# Altium PCB design.PcbDoc (part 1 of 4) (continued)
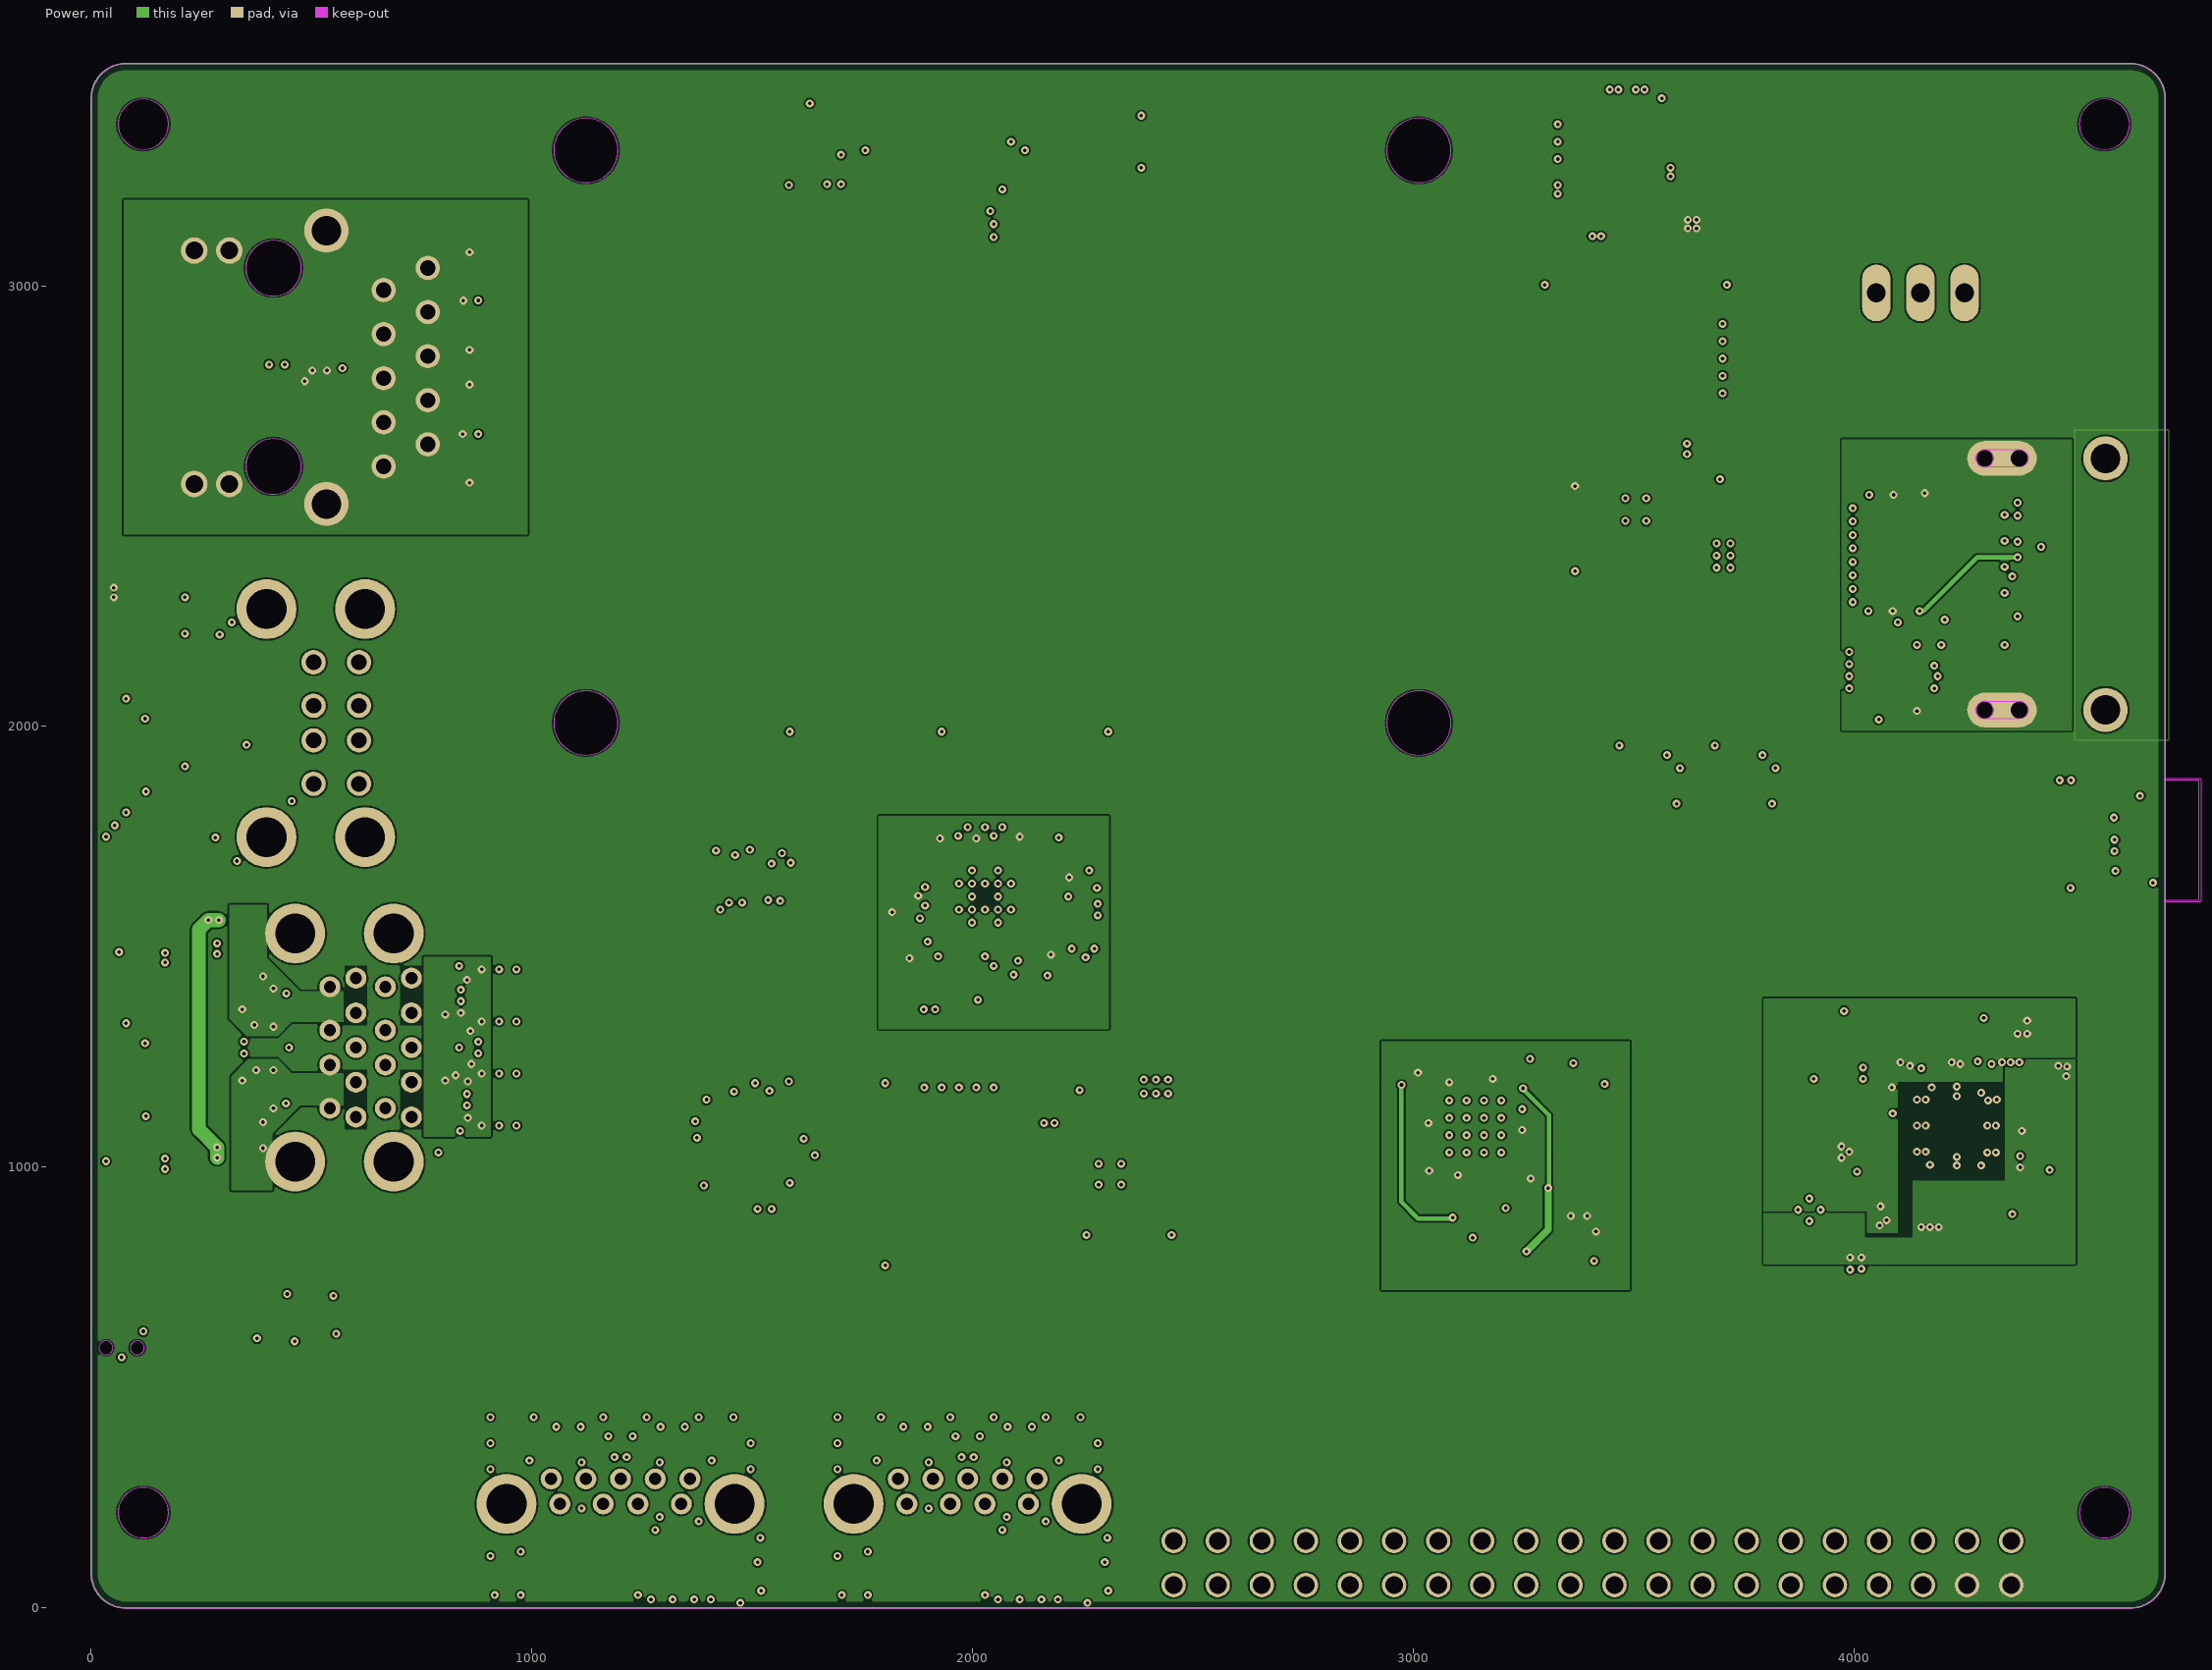
[diagram p3: Power]

## Layer stack, top to bottom
Top Solder: solder mask 0.4, Solder Resist, Dk 3.5
Top: signal copper 1.378
Dielectric 1: core 7.874, FR-4, Dk 4.8
GND: signal copper 1.378
Dielectric3: dielectric 12.6, FR-4, Dk 4.8
S3: signal copper 1.378
Dielectric 4: prepreg 7.874, FR-4, Dk 4.8
S14: signal copper 1.378
Dielectric 5: prepreg 7.874, FR-4, Dk 4.8
Power: signal copper 1.378
Dielectric2: dielectric 12.6, FR-4, Dk 4.8
Bottom: signal copper 1.378
Bottom Solder: solder mask 0.4, Solder Resist, Dk 3.5

## Board outline
4625.98,3503.94 78.74,3503.94 ccw(c78.74,3425.2) 0,3425.2 0,78.74 ccw(c78.74,78.74) 78.74,0 4625.98,0 ccw(c4625.98,78.74) 4704.72,78.74 4704.72,3425.2 ccw(c4625.98,3425.2)
cut-out: 4784.99,1881.45 4785.62,1879.92 4785.62,1604.33 4784.99,1602.8 4783.46,1602.17 4704.72,1602.17 4703.19,1602.8 4702.56,1604.33 4703.19,1605.86 4704.72,1606.49 4781.3,1606.49 4781.3,1877.76 4704.72,1877.76 4703.19,1878.39 4702.56,1879.92 4703.19,1881.45 4704.72,1882.08 4783.46,1882.08
cut-out: 1122.05,1935.04 ccw(c1122.05,2007.87) 1194.88,2007.87 ccw(c1122.05,2007.87) 1122.05,2080.7 ccw(c1122.05,2007.87) 1049.21,2007.87 ccw(c1122.05,2007.87)
cut-out: 1122.05,3234.26 ccw(c1122.05,3307.09) 1194.88,3307.09 ccw(c1122.05,3307.09) 1122.05,3379.93 ccw(c1122.05,3307.09) 1049.21,3307.09 ccw(c1122.05,3307.09)
cut-out: 3011.81,3234.26 ccw(c3011.81,3307.09) 3084.64,3307.09 ccw(c3011.81,3307.09) 3011.81,3379.93 ccw(c3011.81,3307.09) 2938.97,3307.09 ccw(c3011.81,3307.09)
cut-out: 3011.81,1935.04 ccw(c3011.81,2007.87) 3084.64,2007.87 ccw(c3011.81,2007.87) 3011.81,2080.7 ccw(c3011.81,2007.87) 2938.97,2007.87 ccw(c3011.81,2007.87)
cut-out: 413.39,2976.97 ccw(c413.39,3039.96) 476.38,3039.96 ccw(c413.39,3039.96) 413.39,3102.95 ccw(c413.39,3039.96) 350.4,3039.96 ccw(c413.39,3039.96)
cut-out: 413.39,2526.97 ccw(c413.39,2589.96) 476.38,2589.96 ccw(c413.39,2589.96) 413.39,2652.95 ccw(c413.39,2589.96) 350.4,2589.96 ccw(c413.39,2589.96)
cut-out: 118.11,159.46 ccw(c118.11,216.54) 175.19,216.54 ccw(c118.11,216.54) 118.11,273.62 ccw(c118.11,216.54) 61.02,216.54 ccw(c118.11,216.54)
cut-out: 118.11,3309.05 ccw(c118.11,3366.14) 175.19,3366.14 ccw(c118.11,3366.14) 118.11,3423.22 ccw(c118.11,3366.14) 61.02,3366.14 ccw(c118.11,3366.14)
cut-out: 4566.93,3309.05 ccw(c4566.93,3366.14) 4624.02,3366.14 ccw(c4566.93,3366.14) 4566.93,3423.22 ccw(c4566.93,3366.14) 4509.85,3366.14 ccw(c4566.93,3366.14)
cut-out: 4566.93,159.46 ccw(c4566.93,216.54) 4624.02,216.54 ccw(c4566.93,216.54) 4566.93,273.62 ccw(c4566.93,216.54) 4509.85,216.54 ccw(c4566.93,216.54)
cut-out: 4295.28,2588.57 ccw(c4295.28,2608.26) 4314.97,2608.26 ccw(c4295.28,2608.26) 4295.28,2627.95 ccw(c4295.28,2608.26) 4275.6,2608.26 ccw(c4295.28,2608.26)
cut-out: 4295.28,2017.71 ccw(c4295.28,2037.4) 4314.97,2037.4 ccw(c4295.28,2037.4) 4295.28,2057.09 ccw(c4295.28,2037.4) 4275.6,2037.4 ccw(c4295.28,2037.4)
cut-out: 104.33,574.8 ccw(c104.33,590.55) 120.08,590.55 ccw(c104.33,590.55) 104.33,606.3 ccw(c104.33,590.55) 88.58,590.55 ccw(c104.33,590.55)
cut-out: 33.47,574.8 ccw(c33.47,590.55) 49.22,590.55 ccw(c33.47,590.55) 33.47,606.3 ccw(c33.47,590.55) 17.72,590.55 ccw(c33.47,590.55)
cut-out: 4381.7,2626.8 4388.21,2622.45 4392.56,2615.94 4394.09,2608.26 4392.56,2600.58 4388.21,2594.07 4381.7,2589.72 4374.02,2588.19 4295.28,2588.19 4287.6,2589.72 4281.09,2594.07 4276.74,2600.58 4275.21,2608.26 4276.74,2615.94 4281.09,2622.45 4287.6,2626.8 4295.28,2628.33 4374.02,2628.33
cut-out: 4381.7,2055.94 4388.21,2051.59 4392.56,2045.08 4394.09,2037.4 4392.56,2029.72 4388.21,2023.21 4381.7,2018.86 4374.02,2017.33 4295.28,2017.33 4287.6,2018.86 4281.09,2023.21 4276.74,2029.72 4275.21,2037.4 4276.74,2045.08 4281.09,2051.59 4287.6,2055.94 4295.28,2057.47 4374.02,2057.47

## Design rules (kind name [scope] priority, off if disabled: settings)
BoardOutlineClearance mdCopperDimension [All] p1: gap=10 ignorepadtopadclearanceinfootprint=FALSE except(0: Arc-SplitContinuation Track-SplitContinuation SMDPad-SplitContinuation THPad-SplitContinuation Via-SplitContinuation Fill-SplitContinuation Poly-SplitContinuation Region-SplitContinuation Text-SplitContinuation; 15: Poly-OutlineEdge Poly-CavityEdge Poly-CutoutEdge Poly-SplitBarrior)
Clearance Clearance_for_PolygonClass_Isolate_10 [InPolygonClass('Isolate_10') vs IsArc Or IsTrack Or IsPad Or IsVia Or IsFill Or IsRegion Or IsText] p1: gap=10 ignorepadtopadclearanceinfootprint=FALSE
Clearance "Clearance (Same Net)" [All] p2: gap=4 ignorepadtopadclearanceinfootprint=FALSE
Clearance Clearance_for_NetClass_50_OHM [InNetClass('50_OHM') vs InNetClass('50_OHM')] p3: gap=11.81 ignorepadtopadclearanceinfootprint=FALSE
Clearance Clearance_for_NetClass_HDMI [InNetClass('HDMI') vs InNetClass('HDMI')] p4: gap=11.81 ignorepadtopadclearanceinfootprint=FALSE
Clearance Clearance_for_NetClass_USB [InNetClass('USB') vs InNetClass('USB')] p5: gap=7.87 ignorepadtopadclearanceinfootprint=FALSE
Clearance [All] p6: gap=4 ignorepadtopadclearanceinfootprint=FALSE except(5.91: Track-THPad Track-Via THPad-THPad THPad-Via Via-Via)
HoleSize HoleSize_For_NetClass_xxwide [InNetClass('xxwide')] p1: absolutevalues=TRUE maxlimit=0 minlimit=0 maxpercent=80.000 minpercent=20.000
HoleSize HoleSize_For_NetClass_battery [InNetClass('battery')] p2: absolutevalues=TRUE maxlimit=0 minlimit=0 maxpercent=80.000 minpercent=20.000
HoleSize HoleSize_For_NetClass_50_OHM [InNetClass('50_OHM')] p3: absolutevalues=TRUE maxlimit=0 minlimit=0 maxpercent=80.000 minpercent=20.000
HoleSize HoleSize_For_NetClass_HDMI [InNetClass('HDMI')] p4: absolutevalues=TRUE maxlimit=0 minlimit=0 maxpercent=80.000 minpercent=20.000
HoleSize HoleSize_For_NetClass_USB [InNetClass('USB')] p5: absolutevalues=TRUE maxlimit=0 minlimit=0 maxpercent=80.000 minpercent=20.000
HoleSize HoleSize_For_NetClass_analog [InNetClass('analog')] p6: absolutevalues=TRUE maxlimit=0 minlimit=0 maxpercent=80.000 minpercent=20.000
HoleSize HoleSize_For_NetClass_supply [InNetClass('supply')] p7: absolutevalues=TRUE maxlimit=0 minlimit=0 maxpercent=80.000 minpercent=20.000
HoleSize [All] p8: absolutevalues=TRUE maxlimit=100000 minlimit=8 maxpercent=80.000 minpercent=20.000
HoleToHoleClearance mdDrill [All] p1: gap=10 allowstackedmicrovias=TRUE
MinimumSolderMaskSliver [All] p1 off: minsoldermaskwidth=10
PasteMaskExpansion Expansion_SMDPaste_OFF [InPadClass('SMDPaste_OFF')] p1: expansion=0
PasteMaskExpansion mlMinCreamFrame [All] p2: expansion=0
PolygonConnect PolygonConnect_For_PolygonThermal_ON_Width160000_Gap0 [InPolygonClass('PolygonThermal_ON_Width160000_Gap0')] p1: connectstyle=Relief reliefconductorwidth=16 reliefentries=4 polygonreliefangle="90 Angle" airgapwidth=0
PolygonConnect PolygonConnect_For_PolygonThermal_ON_Width120000_Gap0 [InPolygonClass('PolygonThermal_ON_Width120000_Gap0')] p2: connectstyle=Relief reliefconductorwidth=12 reliefentries=4 polygonreliefangle="90 Angle" airgapwidth=0
PolygonConnect PolygonConnect_For_PolygonThermal_ON_Width100000_Gap0 [InPolygonClass('PolygonThermal_ON_Width100000_Gap0')] p3: connectstyle=Relief reliefconductorwidth=10 reliefentries=4 polygonreliefangle="90 Angle" airgapwidth=0
PolygonConnect PolygonConnect_For_PolygonThermal_OFF [InPolygonClass('PolygonThermal_OFF')] p4: connectstyle=Direct reliefconductorwidth=10 reliefentries=4 polygonreliefangle="90 Angle" airgapwidth=10
PolygonConnect ThermalVias [IsVia] p5: connectstyle=Relief reliefconductorwidth=10 reliefentries=4 polygonreliefangle="90 Angle" airgapwidth=0
PolygonConnect [All] p6: connectstyle=Relief reliefconductorwidth=10 reliefentries=4 polygonreliefangle="90 Angle" airgapwidth=10
RoutingVias [All] p1: holewidth=8 width=18 viastyle="Through Hole" minholewidth=8 minwidth=18 maxholewidth=100 maxwidth=100
SolderMaskExpansion Expansion_SMDSolder_OFF [InPadClass('SMDSolder_OFF')] p1: expansion=0 istentingtop=FALSE
SolderMaskExpansion mlMinStopFrame [All] p2: expansion=3 istentingtop=FALSE
Width Width_For_NetClass_xxwide [InNetClass('xxwide')] p1: maxlimit=10 minlimit=8 preferedwidth=8
Width Width_For_NetClass_battery [InNetClass('battery')] p2: maxlimit=10 minlimit=99999 preferedwidth=0 toplayer_minwidth=0 midlayer1_minwidth=0 midlayer2_minwidth=0 midlayer13_minwidth=0 midlayer14_minwidth=0 bottomlayer_minwidth=0
Width Width_For_NetClass_50_OHM [InNetClass('50_OHM')] p3: maxlimit=29.76 minlimit=10 preferedwidth=14.88
Width Width_For_NetClass_HDMI [InNetClass('HDMI')] p4: maxlimit=10 minlimit=7.87 preferedwidth=7.87
Width Width_For_NetClass_USB [InNetClass('USB')] p5: maxlimit=10 minlimit=7.87 preferedwidth=7.87
Width Width_For_NetClass_analog [InNetClass('analog')] p6: maxlimit=10 minlimit=7 preferedwidth=7
Width Width_For_NetClass_supply [InNetClass('supply')] p7: maxlimit=10 minlimit=10 preferedwidth=10
Width [All] p8: maxlimit=10000 minlimit=4 preferedwidth=4
26 further rules are at their usual default settings.

## Classes and differential pairs
polygon class PolygonThermal_ON_Width160000_Gap0: Polygon_4_Net_COMMON_SHIELD Polygon_5_Net_COMMON_SHIELD Polygon_6_Net_COMMON_SHIELD Polygon_7_Net_COMMON_SHIELD Polygon_8_Net_COMMON_SHIELD Polygon_9_Net_COMMON_SHIELD
polygon class PolygonThermal_ON_Width120000_Gap0: Polygon_1_Net_VCC_1.2$19
polygon class PolygonThermal_ON_Width100000_Gap0: Polygon_1_Net_2.5.0V_VCC_5.0 Polygon_1_Net_3.3.3V_VCC_3.3 Polygon_1_Net_14.3.3V_VCC_3.3 Polygon_1_Net_14.VLOGIC_VLOGIC Polygon_1_Net_21.5.5-16V_VCC_BATT Polygon_1_Net_24.5.0V_VCC_5.0 Polygon_1_Net_COMMON_SHIELD Polygon_1_Net_GND Polygon_1_Net_PH$2 Polygon_1_Net_PH$24 Polygon_1_Net_SSTX2_CUTOUT$20 Polygon_1_Net_SW_3.3$3 Polygon_1_Net_V1.2$16 Polygon_1_Net_VCC_3.3_FILT$4 Polygon_2_Net_2.5.0V_VCC_5.0 Polygon_2_Net_3.3.3V_VCC_3.3 Polygon_2_Net_21.5.5-16V_VCC_BATT Polygon_2_Net_GND Polygon_2_Net_PH$2 Polygon_2_Net_PH$24 Polygon_2_Net_SW_3.3$3 Polygon_2_Net_V1.2$16 Polygon_3_Net_2.5.0V_VCC_5.0 Polygon_3_Net_3.3.3V_VCC_3.3 Polygon_3_Net_21.5.5-16V_VCC_BATT Polygon_3_Net_GND Polygon_3_Net_V1.2$16 Polygon_4_Net_2.5.0V_VCC_5.0 Polygon_4_Net_3.3.3V_VCC_3.3 Polygon_4_Net_21.5.5-16V_VCC_BATT Polygon_4_Net_GND Polygon_4_Net_V1.2$16 Polygon_5_Net_2.5.0V_VCC_5.0 Polygon_5_Net_3.3.3V_VCC_3.3 Polygon_5_Net_GND Polygon_5_Net_V1.2$16 Polygon_6_Net_2.5.0V_VCC_5.0 Polygon_6_Net_3.3.3V_VCC_3.3 Polygon_6_Net_GND Polygon_7_Net_3.3.3V_VCC_3.3 Polygon_7_Net_GND Polygon_8_Net_3.3.3V_VCC_3.3 Polygon_8_Net_GND Polygon_9_Net_3.3.3V_VCC_3.3 Polygon_9_Net_GND Polygon_10_Net_COMMON_SHIELD Polygon_10_Net_GND Polygon_11_Net_GND Polygon_12_Net_GND Polygon_13_Net_GND Polygon_14_Net_GND Polygon_15_Net_GND Polygon_16_Net_GND Polygon_17_Net_GND Polygon_18_Net_GND Polygon_19_Net_GND Polygon_20_Net_GND Polygon_21_Net_GND Polygon_22_Net_GND Polygon_23_Net_GND Polygon_24_Net_GND Polygon_25_Net_GND Polygon_26_Net_GND Polygon_27_Net_GND Polygon_28_Net_GND Polygon_29_Net_GND Polygon_30_Net_GND Polygon_31_Net_GND Polygon_32_Net_GND Polygon_33_Net_GND Polygon_34_Net_GND Polygon_35_Net_GND Polygon_36_Net_GND Polygon_37_Net_GND Polygon_38_Net_GND Polygon_39_Net_GND Polygon_40_Net_GND Polygon_41_Net_GND Polygon_42_Net_GND Polygon_43_Net_GND Polygon_44_Net_GND Polygon_45_Net_GND Polygon_46_Net_GND Polygon_47_Net_GND Polygon_48_Net_GND Polygon_49_Net_GND Polygon_50_Net_GND Polygon_51_Net_GND Polygon_52_Net_GND Polygon_53_Net_GND Polygon_54_Net_GND Polygon_55_Net_GND Polygon_56_Net_GND
polygon class PolygonThermal_OFF: Polygon_2_Net_COMMON_SHIELD Polygon_3_Net_COMMON_SHIELD Polygon_11_Net_COMMON_SHIELD Polygon_12_Net_COMMON_SHIELD Polygon_13_Net_COMMON_SHIELD Polygon_14_Net_COMMON_SHIELD
polygon class Isolate_10: Polygon_4_Net_GND
pad class SMDSolder_OFF: IC6-1 IC6-2 IC6-3 IC6-4 IC6-5 IC6-6 IC6-7 IC6-8 IC6-9 IC6-10 IC6-11 IC6-12 IC6-13 IC6-14 IC6-15 IC6-16 IC6-17 IC6-18 IC6-19 IC6-20 IC6-21 IC6-22 IC6-23 IC6-24 IC6-25 IC6-26 IC6-27 IC6-28 IC6-29 IC6-30 IC6-31 IC6-32
pad class SMDPaste_OFF: IC6-1 IC6-2 IC6-3 IC6-4 IC6-5 IC6-6 IC6-7 IC6-8 IC6-9 IC6-10 IC6-11 IC6-12 IC6-13 IC6-14 IC6-15 IC6-16 IC6-17 IC6-18 IC6-19 IC6-20 IC6-21 IC6-22 IC6-23 IC6-24 IC6-25 IC6-26 IC6-27 IC6-28 IC6-29 IC6-30 IC6-31 IC6-32 MP1-1 MP2-1 MP3-1 MP4-1
net class HDMI: 14.1000BaseT_TR0_N 14.1000BaseT_TR0_P 14.1000BaseT_TR1_N 14.1000BaseT_TR1_P 14.1000BaseT_TR2_N 14.1000BaseT_TR2_P 14.1000BaseT_TR3_N 14.1000BaseT_TR3_P 14.HDMI0_CLOCK_N 14.HDMI0_CLOCK_P 14.HDMI0_D0_N 14.HDMI0_D0_P 14.HDMI0_D1_N 14.HDMI0_D1_P 14.HDMI0_D2_N 14.HDMI0_D2_P PCIE_RX0_N$16 PCIE_RX0_P$16 PCIE_TX0_N$16 PCIE_TX0_P$16 TXD0_CONN_N$12 TXD0_CONN_P$12 TXD1_CONN_N$12 TXD1_CONN_P$12 TXD2_CONN_N$12 TXD2_CONN_P$12 TXDC_CONN_N$12 TXDC_CONN_P$12
net class USB: 1.USB_DEVICE_D_N 1.USB_DEVICE_D_P 14.PCIE_CLK_N 14.PCIE_CLK_P 14.PCIE_RX0_N 14.PCIE_RX0_P 14.PCIE_TX0_N 14.PCIE_TX0_P 14.USB_HOST_D_N 14.USB_HOST_D_P 16.USBH1_D_N 16.USBH1_D_P 16.USBH1_SSRX_N 16.USBH1_SSRX_P 16.USBH1_SSTX_N 16.USBH1_SSTX_P 16.USBH2_D_N 16.USBH2_D_P 16.USBH2_SSRX_N 16.USBH2_SSRX_P 16.USBH2_SSTX_N 16.USBH2_SSTX_P 18.USBH1_D_N 18.USBH1_D_P 18.USBH2_D_N 18.USBH2_D_P 19.USBH1_D_N 19.USBH1_D_P 19.USBH1_SSRX_N 19.USBH1_SSRX_P 19.USBH1_SSTX_N 19.USBH1_SSTX_P 19.USBH2_D_N 19.USBH2_D_P 19.USBH2_SSRX_N 19.USBH2_SSRX_P 19.USBH2_SSTX_N 19.USBH2_SSTX_P 19.USBH3_D_N 19.USBH3_D_P 19.USBH3_SSRX_N 19.USBH3_SSRX_P 19.USBH3_SSTX_N 19.USBH3_SSTX_P A_USB_D_N$17 A_USB_D_N$20 A_USB_D_P$17 A_USB_D_P$20 B_USB_D_N$17 B_USB_D_N$20 B_USB_D_P$17 B_USB_D_P$20 CAP_A_TX_N$20 CAP_A_TX_P$20 CAP_B_TX_N$20 CAP_B_TX_P$20 CAP_RXD_N$19 CAP_RXD_P$19 CAP_TXD_N$19 CAP_TXD_P$19 D_N$11 D_P$11 SSRX1_N$20 SSRX1_P$20 SSRX2_N$20 SSRX2_P$20 SSTX1_N$20 SSTX1_P$20 SSTX2_N$20 SSTX2_P$20 USB_CAP_SSTX_N$22 USB_CAP_SSTX_N$23 USB_CAP_SSTX_P$22 USB_CAP_SSTX_P$23 USB_SSRX_N$22 USB_SSRX_N$23 USB_SSRX_P$22 USB_SSRX_P$23 USB_SSTX_N$22 USB_SSTX_N$23 USB_SSTX_P$22 USB_SSTX_P$23 USBH_D_N$22 USBH_D_N$23 USBH_D_P$22 USBH_D_P$23
net class supply: 1.8V_OUT$14 1.USB_DEVICE_VBUS 2.5.0V_VCC_5.0 3.3.3V_VCC_3.3 3.3V_OUT$14 3.VLOGIC_VLOGIC 13.VLOGIC_OUT_VLOGIC 14.3.3V_VCC_3.3 14.VLOGIC_VLOGIC 18.USBH1_VBUS 18.USBH2_VBUS 19.USBH1_GND_DRAIN 19.USBH1_VBUS 19.USBH2_GND_DRAIN 19.USBH2_VBUS 19.USBH3_GND_DRAIN 19.USBH3_VBUS 21.5.5-16V_VCC_BATT 24.5.0V_VCC_5.0 A_GNDF$17 A_GNDF$20 A_VBUS_$17 A_VBUS_$20 B_VBUS_$17 B_VBUS_$20 BOOT$2 BOOT$24 COMMON_SHIELD CON_5V0$12 CT0$4 DS_LOAD$14 DS_LOAD_1V8$14 FB_3.3$3 FRAME$21 FTDI_3.3_INT$1 GND GPIO_VREF$14 PH$2 PH$24 SW_3.3$3 USBH_GND$22 USBH_GND$23 USBH_VBUSF$22 USBH_VBUSF$23 V1.2$16 V5.0$11 V_POWER$2 V_POWER$24 VBUS$1 VBUSF$17 VBUSF$20 VCC_1.2$19 VCC_3.3_FILT$4 VSENSE$2 VSENSE$24

## Components (designator, comment, footprint, x,y, rotation, side; value= is the part's Value field where it differs from the comment)
C1 "GRM0335C1E470JA01D" 0201 404.33,647.24 r90 bottom
C2 "GRM31CR60J227ME11L" 1206 1938.98,104.33 r270 bottom
C3 "C1608X5R1A106M080AC" 0603 72.83,1397.64 r0 bottom
C4 "GRM033R60J104KE19D" 0201 2285.43,141.73 r90 top
C5 "GRM033R60J104KE19D" 0201 1915.35,464.57 r270 top
C6 "GRM033R60J104KE19D" 0201 1824.8,464.57 r270 top
C7 "GRM31CR60J227ME11L" 1206 230.32,1135.83 r180 bottom
C8 "GRM033R60J104KE19D" 0201 374.02,1539.37 r270 bottom
C9 "GRM033R60J104KE19D" 0201 334.65,1539.37 r270 bottom
C10 "GRM033R60J104KE19D" 0201 970.47,1407.48 r180 top
C11 "GRM033R60J104KE19D" 0201 970.47,1372.05 r180 top
C12 "GRM033R60J104KE19D" 0201 1850.39,1547.24 r90 top
C13 "CL31A106KBHNNNE" 1206 2110.24,986.22 r270 bottom
C14 "GRM033R60J104KE19D" 0201 2029.53,1716.54 r270 bottom
C15 "CL05A105KO5NNNC" 0402 2129.92,1435.04 r0 top
C16 "GRM033R60J104KE19D" 0201 3263.78,1216.54 r90 bottom
C17 "CGB3B1X5R1A475K055AC" 0603 3318.9,771.65 r0 top
C18 "GRM033R60J104KE19D" 0201 3344.49,830.71 r270 top
C19 "22uF" 0805 3370.08,820.87 r270 bottom
C20 "GRM0335C1H220JA01D" 0201 3433.07,1227.17 r90 top
C21 "GRM0335C1H220JA01D" 0201 3372.05,1214.57 r0 top
C22 "GRM033R60J104KE19D" 0201 2970.47,1212.6 r90 top
C23 "GRM033R60J104KE19D" 0201 3068.9,874.02 r270 bottom
C24 "GRM033R60J104KE19D" 0201 3336.61,956.69 r0 top
C25 "CGB3B1X5R1A475K055AC" 0603 3303.15,1017.72 r90 bottom
C26 "GRM033R60J104KE19D" 0201 3196.85,1246.06 r0 bottom
C27 "GRM033R60J104KE19D" 0201 3271.65,923.23 r270 bottom
C28 "GRM033R60J104KE19D" 0201 3289.37,1112.2 r90 bottom
C29 "GRM033R60J104KE19D" 0201 2998.03,1250 r180 bottom
C30 "C0603C103K5RACTU" 0603 2141.73,832.68 r0 bottom
C31 "GRM033R60J104KE19D" 0201 2974.41,1100.39 r180 bottom
C32 "GRM033R60J104KE19D" 0201 3019.69,937.01 r270 bottom
C33 "GRM033R60J104KE19D" 0201 3100.39,933.07 r270 bottom
C34 "CGB3B1X5R1A475K055AC" 0603 3092.52,1238.19 r0 bottom
C41 "GRM033R60J104KE19D" 0201 4021.65,952.76 r270 top
C42 "GRM033R60J104KE19D" 0201 4137.8,1267.72 r180 bottom
C43 "GRM033R60J104KE19D" 0201 4051.18,1181.1 r180 bottom
C44 "GRM033R60J104KE19D" 0201 4047.24,893.7 r180 top
C45 "C1608X5R1A106M080AC" 0603 4255.91,836.61 r0 top
C46 "C1608X5R1A106M080AC" 0603 4429.13,1375.98 r0 top
C52 "GRM033R61C103KA12D" 0201 2344.49,1122.05 r180 bottom
C63 "GRM033R60J104KE19D" 0201 421.26,2832.68 r90 bottom
C64 "C1608X5R1A106M080AC" 0603 372.05,2787.4 r270 bottom
C65 "CL05A105KO5NNNC" 0402 830.71,2988.19 r180 bottom
C66 "GRM033R60J104KE19D" 0201 858.27,3104.33 r90 top
C78 "GRM033R61C103KA12D" 0201 2421.26,787.4 r0 top
C79 "EEE-1EA331UP" PANASONIC_F 2303.15,984.25 r270 top
C80 "" 0201 1397.64,1116.14 r270 bottom
C81 "" 0603 1622.05,1137.8 r90 top
C82 "" 0201 1570.87,938.98 r0 top
C83 "" 0201 1448.82,1045.28 r180 bottom
C84 "" 0201 1606.3,1037.4 r90 top
C85 "EMK105B7104KV-F" 0402 3496.06,3216.54 r0 bottom
C86 "EMK212BJ106KG-T" 0805 3574.8,3171.26 r90 bottom
C87 "CL05A105KO5NNNC" 0402 3625.98,3228.35 r90 top
C88 "GRM033R60J104KE19D" 0201 581.1,2790.16 r180 bottom
C89 "" 0603 4521.65,1741.14 r90 bottom
C90 "GRM033R60J104KE19D" 0201 706.69,2840.55 r180 bottom
C91 "GRM033R60J104KE19D" 0201 501.57,2769.69 r270 bottom
C92 "22uF" 0805 3413.39,3177.17 r270 top
C93 "UMK063CG100DTF" 0201 3377.95,3281.5 r0 bottom
C94 "GRM033R60J104KE19D" 0201 4220.47,2165.35 r0 bottom
C95 "GRM033R60J104KE19D" 0201 4102.36,2011.81 r180 top
C158 "CGB3B1X5R1A475K055AC" 0603 3911.42,785.43 r180 top
C167 "CGB3B1X5R1A475K055AC" 0603 3897.64,1015.75 r180 top
C253 "GRM033R60J104KE19D" 0201 3994.09,1137.8 r0 top
C254 "GRM033R60J104KE19D" 0201 3994.09,1169.29 r0 top
C255 "C0603C103K5RACTU" 0603 3352.36,2661.42 r270 bottom
C256 "GRM033R60J104KE19D" 0201 1431.1,1690.94 r180 top
C257 "GRM033R61C103KA12D" 0201 4061.02,2525.59 r180 bottom
C258 "GRM033R60J104KE19D" 0201 4399.61,2395.67 r90 bottom
C259 "GRM033R60J104KE19D" 0201 4102.36,2216.54 r180 top
C260 "GRM033R60J104KE19D" 0201 2019.69,3183.07 r270 bottom
C261 "GRM033R61C103KA12D" 0201 4059.06,2261.81 r180 bottom
C262 "CL31A106KBHNNNE" 1206 3505.91,2692.91 r180 bottom
C263 "GRM033R60J104KE19D" 0201 3994.09,1106.3 r0 top
C264 "GRM033R60J104KE19D" 0201 4110.24,1210.63 r270 bottom
C265 "GRM033R60J104KE19D" 0201 4415.35,1025.59 r0 bottom
C266 "GRM033R60J104KE19D" 0201 4318.9,883.86 r0 top
C267 "GRM033R60J104KE19D" 0201 4137.8,883.86 r180 top
C268 "GRM033R60J104KE19D" 0201 4415.35,994.09 r0 bottom
C269 "GRM033R60J104KE19D" 0201 4417.32,1086.61 r0 bottom
C270 "GRM033R71A682KA01D" 0201 4000,897.64 r270 top
C271 "GRM033R60J104KE19D" 0201 4159.45,2559.06 r90 bottom
C272 "GRM033R60J104KE19D" 0201 70.87,2267.72 r0 bottom
C273 "GRM033R60J104KE19D" 0201 3994.09,1074.8 r0 top
C274 "GRM033R61C103KA12D" 0201 165.35,2251.97 r90 bottom
C275 "C1608X5R1A106M080AC" 0603 86.61,2133.86 r0 bottom
C276 "DNP" 1206 352.36,1966.54 r180 bottom
C277 "GRM31CR60J227ME11L" 1206 352.36,1875.98 r180 bottom
C278 "DNP" 1206 352.36,2057.09 r180 bottom
C279 "GRM31CR60J227ME11L" 1206 352.36,2147.64 r180 bottom
C280 "GRM033R60J104KE19D" 0201 4047.24,1122.05 r180 bottom
C281 "GRM033R60J104KE19D" 0201 4350.39,1314.96 r90 top